# KiCad board Karnix_ASB.kicad_pcb (continued)
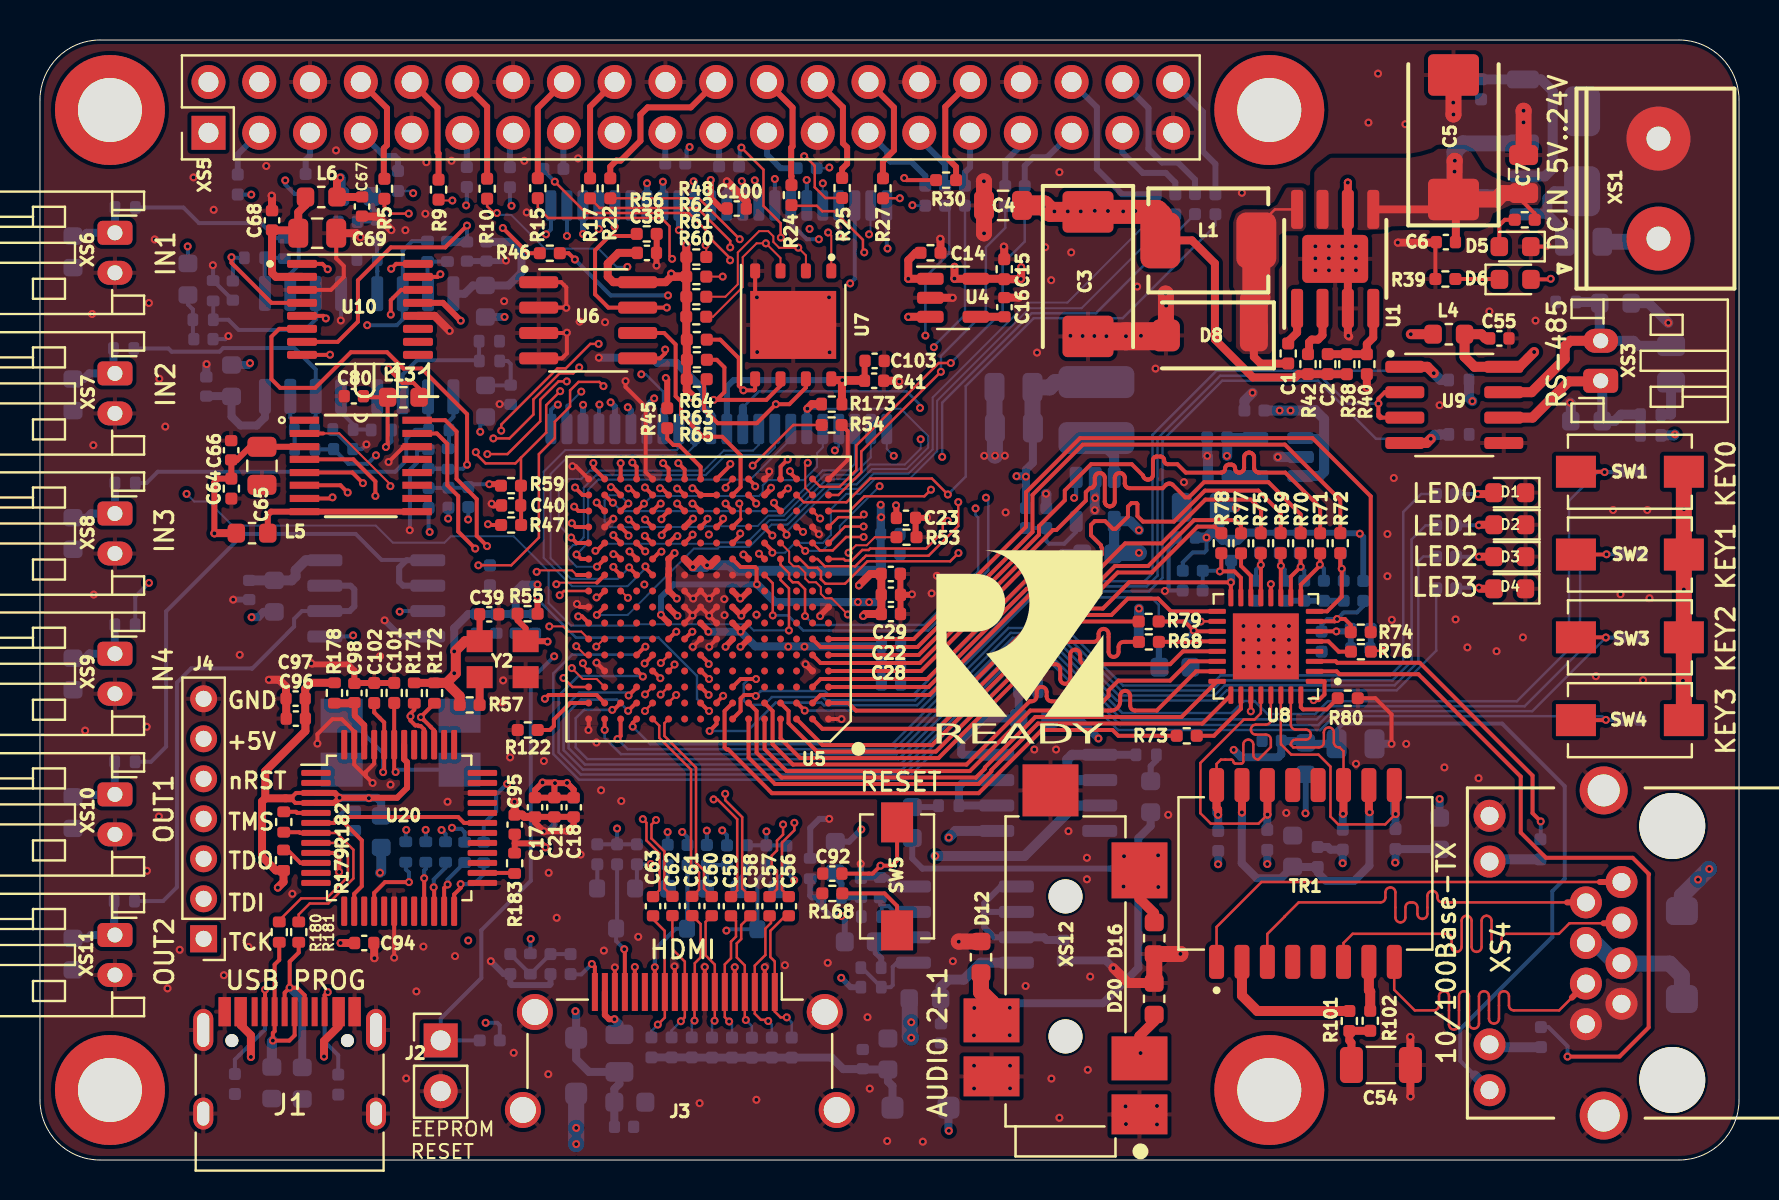
[diagram p0: board, top side]
## Routing (per net, layer and track width the routed paths; a pad name or vN(x,y) marks a point on that pad's centre or on a via; arc(x,y) is an arc through that point) (continued)
EEPROM_I2C_SDA: length 11.1
  Top w0.2: v1(31.28,40.52) 31.28,40.34 31.02,40.08 U6.5 ; U5.P7 34.3,32.8 v1(34.3,32.82)
  In4.Cu w0.1: v1(31.28,40.52) 32.12,39.68 32.12,37.93 33.59,36.46 33.59,33.53 v1(34.3,32.82)
EEPROM_RESET: length 39.6
  Top w0.2: U5.T6 35.78,33.72 v1(35.78,33.68)
  In1.Cu w0.1: v1(35.78,33.68) 35.78,33.41 36.27,32.92 36.27,32.59 36.08,32.4 35.54,32.4 34.41,31.27 33.48,31.27 v1(33.46,31.28)
  In3.Cu w0.1: v1(25.73,25.19) 25.81,25.27 28.51,25.27 30.61,27.37 30.61,28.34 33.46,31.21 v1(33.46,31.28)
  Bottom w0.2: R58.2 J2.1 20.05,7.07 22.08,9.1 22.08,11.47 22.07,11.48 24.55,13.97 24.55,24.02 v1(25.73,25.19)
EEPROM_WP: length 20.7
  Top w0.2: U5.R6 35.83,32.87 v1(35.83,32.82) ; v1(31.36,42.62) U6.7 28.43,42.62 27.77,43.29 27.77,45.49 28.48,46.2 29.75,46.2 R56.1
  In4.Cu w0.125: v1(31.36,42.62) 31.36,41.16 35.2,37.32 35.2,33.45 v1(35.83,32.82)
ETHERNET_CT: length 15.7
  Top w0.4: TR1.15 60.13,17.38 v1(60.13,17.38) ; TR1.10 66.48,17.43 v1(66.52,17.39)
  Bottom w0.4: v1(60.13,17.38) 60.13,16.6 60.12,16.59 60.12,14.84 60.87,14.09 62.09,14.09 C49.1 62.69,14.65 R96.2 63.92,14.38 64.35,13.95 65.74,13.95 66.51,14.72 66.51,17.38 v1(66.52,17.39)
ETHERNET_RX+: length 13.3
  Top w0.125: TR1.11 65.21,20.44 65.02,20.63 64.98,20.63 arc(64.8,20.7) 64.73,20.88 64.73,21.38 arc(64.66,21.56) 64.48,21.63 arc(64.3,21.56) 64.23,21.38 64.23,20.88 arc(64.16,20.7) 63.98,20.63 62.7,20.63 62.58,20.75 62.58,20.77 arc(62.65,20.95) 62.83,21.02 63.33,21.02 arc(63.5,21.09) 63.58,21.27 arc(63.5,21.45) 63.33,21.52 62.83,21.52 arc(62.65,21.59) 62.58,21.77 U8.31
  Top w0.4: v1(65.19,17.31) 65.21,17.33 TR1.11
  Bottom w0.4: C52.1 65.2,17.32 v1(65.19,17.31) 65.17,17.3 R99.2
ETHERNET_RX-: length 14.7
  Top w0.125: v1(67.82,17.3) 67.3,16.78 64.95,16.78 64.56,17.17 64.56,19.67 63.96,20.27 62.6,20.27 62.08,20.79 U8.30
  Top w0.4: TR1.9 67.82,18.68 v1(67.82,17.3)
  Bottom w0.4: C53.1 67.74,17.38 v1(67.82,17.3) 67.81,17.3 R100.2
ETHERNET_TX+: length 13.6
  Top w0.125: TR1.16 58.86,19.8 59.08,20.02 59.6,20.02 arc(59.67,19.99) 59.7,19.92 arc(59.73,19.85) 59.8,19.82 60.1,19.82 arc(60.17,19.85) 60.2,19.92 60.2,20.77 arc(60.27,20.95) 60.45,21.02 arc(60.63,20.95) 60.7,20.77 60.7,20.27 arc(60.77,20.09) 60.95,20.02 61.58,20.65 61.58,21.02 arc(61.5,21.2) 61.33,21.27 60.83,21.27 arc(60.65,21.34) 60.58,21.52 arc(60.65,21.7) 60.83,21.77 61.33,21.77 arc(61.5,21.84) 61.58,22.02 U8.29
  Top w0.4: TR1.16 58.86,17.61 58.94,17.53 v1(58.94,17.26)
  Bottom w0.4: R97.2 58.95,17.26 v1(58.94,17.26) 58.86,17.34 C50.1
ETHERNET_TX-: length 14.5
  Top w0.125: U8.28 61.08,22.34 60.76,22.02 60.22,22.02 58.05,19.85 58.05,17.34 58.57,16.82 60.96,16.82 v1(61.41,17.27)
  Top w0.4: v1(61.41,17.27) 61.41,18.74 TR1.14
  Bottom w0.4: R98.2 61.4,17.26 v1(61.41,17.27) 61.39,17.29 C51.1
FPGA_RESET: length 93.2
  Top w0.125: 24.06,35.11 23.78,34.83 22.29,34.83 21.8,35.32 v1(21.8,35.39) ; 24.06,35.11 25.33,36.37 25.33,37.74 v1(26.02,38.44) ; 24.06,35.11 R59.2
  Top w0.2: R59.2 24.05,33.7 C40.1 24.07,32.71 R47.2 ; v1(32.64,33.59) 32.71,33.59 U5.R9 U5.R8 ; C92.1 41.65,14.32 v1(42.05,14.72) 42.6,14.72 42.61,14.71 42.88,14.98 SW5.1
  In1.Cu w0.125: v1(26.02,38.44) 26.63,37.84 26.63,37.46 27.41,36.68 28.75,36.68 31.06,34.36 32.05,34.36 32.64,33.77 v1(32.64,33.59) ; v1(18.33,16.51) 18.33,14.75 17.72,14.14 17.72,12.61 18.74,11.59 20.81,11.59 v1(21.42,10.98)
  In4.Cu w0.125: v1(21.42,10.98) 23.3,10.98 25.81,8.47 37.17,8.47 38.94,10.24 38.94,13.31 39.92,14.29 41.62,14.29 v1(42.05,14.72) ; v1(21.8,35.39) 20.86,35.39 19.08,33.61 19.08,24.31 18.16,23.39 18.16,22.32 18.15,22.31 18.15,21.99 18.16,21.98 18.16,19.93 18.46,19.62 18.46,16.98 18.33,16.84 v1(18.33,16.51) 17.01,16.51 16.7,16.2 14.59,16.2 13.36,17.43 9.81,17.43 8.73,18.51
  In4.Cu w0.4: J4.5 8.73,18.51
  Bottom w0.2: R166.2 18.3,16.48 v1(18.33,16.51)
FT_VCC: length 47.5
  Top w0.2: U20.3 12.81,18.35 12.54,18.09 12.78,17.85 U20.4
  Top w0.3: U20.42 18.22,20.03 18.36,19.89 18.36,18.61 17.87,18.11 v1(14.99,18.11) ; 23.75,15.83 25.09,15.83 v1(25.29,15.63) ; 23.75,15.83 23.75,15.35 R183.2 ; 23.75,15.83 23.75,16.27 ; v1(14.99,18.11) 14.74,18.35 U20.3 ; v1(14.99,18.11) 14.73,17.85 U20.4
  Top w0.4: 11.27,18.09 12.54,18.09 ; 11.27,18.09 11.11,17.92 11.11,15.17 11.8,14.48 R179.2 12.19,13.91 v1(11.9,13.62) ; 11.27,18.09 11.27,19.44 13.28,21.45 C96.1 13.27,22.08 C97.1 13.27,23.57 13.56,23.86 R178.1 ; C94.1 v1(15.04,10.85)
  In3.Cu w0.3: v1(16.45,18.09) 16.45,16.35 17.17,15.63 v1(25.29,15.63)
  In3.Cu w0.4: v1(11.9,13.62) 11.9,12.5 13.55,10.85 v1(15.04,10.85)
  Bottom w0.4: 17.07,17.21 17.07,17.9 16.86,18.11 v1(14.99,18.11)
GPIO_00: length 25.3
  Top w0.125: v1(45.41,31.96) 45.23,31.96 45.17,31.9 ; 45.17,31.9 45.17,31.41 44.33,30.57 41.53,30.57 41.46,30.5 41.14,30.5 40.61,29.97 40.29,29.97 40.22,30.05 U5.L1 ; 45.17,31.9 45.17,32.01
  In1.Cu w0.125: v1(43.64,47.74) 43.9,47.48 43.9,40.02 46.05,37.87 46.05,34.75 46.33,34.46 46.33,32.67 45.63,31.96 v1(45.41,31.96)
  Bottom w0.125: R26.2 43.67,47.72 v1(43.64,47.74)
GPIO_01: length 26.9
  Top w0.125: U5.L2 38.9,30.05 39.26,29.69 40.79,29.69 41.19,30.09 41.2,30.09 41.32,30.21 44.45,30.21 45.94,31.7 v1(45.94,32.9) ; R27.1 42.18,48.09 v1(43.02,48.09)
  In1.Cu w0.125: v1(43.02,48.09) 43.11,47.99 43.11,44.67 42.92,44.47 42.92,40.65 45.61,37.96 45.61,34.32 45.94,33.98 v1(45.94,32.9)
GPIO_02: length 54.5
  Top w0.125: U5.M1 40.27,31.67 v1(41.2,31.67)
  In1.Cu w0.1: v1(10.57,48.27) 11.18,47.66 12.1,47.66 14.02,49.58 18.41,49.58 19.72,48.26 19.72,45.71 21.92,43.51 21.92,39.76 21.27,39.11 21.27,35.4 22.39,34.27 22.74,34.27 25.59,31.42 25.59,30.59 27.64,28.54 29.55,28.54 30.45,27.64 39.22,27.64 41.59,30.01 41.59,31.47 41.39,31.67 v1(41.2,31.67)
  Bottom w0.2: v1(10.57,48.27) 10.56,48.28 R3.2
GPIO_03: length 52.4
  Top w0.125: v1(41.2,31.15) 40.33,31.15 39.66,30.48 39.02,30.48 U5.M2
  In1.Cu w0.1: v1(12.27,48.98) 12.27,49.11 13.01,49.85 18.45,49.85 19.95,48.34 19.95,45.79 22.14,43.6 22.14,39.55 21.64,39.05 21.64,36.08 21.98,35.74 22.46,35.74 22.9,35.3 22.9,34.52 25.81,31.6 25.81,30.69 27.68,28.83 29.65,28.83 30.08,28.4 30.39,28.4 30.46,28.47 35.19,28.47 35.55,28.11 39.37,28.11 41.2,29.94 v1(41.2,31.15)
  Bottom w0.2: R4.1 12.74,48.3 12.27,48.77 v1(12.27,48.98)
GPIO_04: length 59.8
  Top w0.125: v1(37.47,26.48) 37.47,28.58 37.05,29 U5.K4
  In1.Cu w0.125: v1(7.33,33.31) 7.33,40.5 8.1,41.26 8.1,41.31 15.13,48.34 v1(18.67,48.34)
  Bottom w0.1: v1(37.47,26.48) 35.71,26.48 35.39,26.79 29.89,26.79 29.82,26.73 26.56,26.73 25.45,27.84 25.45,29.44 23.7,31.19 20.55,31.19 20.23,30.87 17.66,30.87 16.8,31.72 9.63,31.72 8.42,32.93 7.71,32.93 v1(7.33,33.31)
  Bottom w0.125: R6.2 18.56,48.45 v1(18.67,48.34)
GPIO_05: length 35.3
  Top w0.125: v1(36.66,27.23) 36.66,28.84 U5.K5
  In1.Cu w0.125: v1(47.33,33.12) 47.33,34.18 46.79,34.71 46.79,39.81 45.38,41.22 v1(44.3,41.22)
  Bottom w0.125: v1(36.66,27.23) 37.42,27.23 38.18,26.48 44.43,26.48 47.44,29.48 47.44,33 v1(47.33,33.12) ; R28.1 45.49,47.51 45.49,45.34 44.3,44.14 v1(44.3,41.22)
GPIO_06: length 33.7
  Top w0.125: v1(38.27,27.2) 38.27,28.54 37.93,28.89 37.65,28.89 37.48,29.06 37.48,29.34 37.05,29.76 U5.L4
  In1.Cu w0.125: v1(44.72,40.64) 45.32,40.64 46.3,39.66 46.3,34.85 46.8,34.34 v1(46.8,32.58)
  Bottom w0.125: R29.2 46.27,42.26 44.72,40.7 v1(44.72,40.64) ; v1(38.27,27.2) 38.72,26.76 44.26,26.76 46.93,29.43 46.93,32.12 46.8,32.26 v1(46.8,32.58)
GPIO_07: length 29
  Top w0.125: 38.4,50.08 38.4,50.07 38.76,49.71 38.76,48.64 39.3,48.1 R25.1
  Top w0.2: U5.L5 35.99,30.31 v1(35.97,30.31)
  In1.Cu w0.1: v1(38.5,46.56) 38.49,46.55 38.49,45.12 40.64,42.97 40.64,38.56 40.34,38.26 40.34,31.22 39,29.88 36.39,29.88 35.97,30.29 v1(35.97,30.31)
  In4.Cu w0.1: v1(38.23,50.19) 38.76,49.67 38.76,48.01 38.5,47.75 v1(38.5,46.56)
GPIO_08: length 22.1
  Top w0.125: v1(41.21,32.28) 41.08,32.14 39.94,32.14 U5.N1 ; R24.2 37.63,47.71 38.86,47.71 39.14,47.44 39.74,47.44 41.17,46.01 41.17,45.45 v1(41.24,45.38)
  In1.Cu w0.125: v1(41.21,32.28) 41.21,32.47 42.05,33.31 42.47,33.31 43.35,34.19 43.35,35.82 42.98,36.2 42.95,36.2 41.62,37.53 41.62,44.36 41.24,44.75 v1(41.24,45.38)
GPIO_09: length 21.8
  Top w0.125: v1(37.06,46.12) 37.05,46.13 37.05,46.84 36.2,47.7 36.2,49.52 v1(35.09,50.62) ; v1(39.03,32.08) 38.65,32.45 U5.P2
  In1.Cu w0.1: v1(39.03,32.08) 38.86,32.24 38.86,36.72 39.03,36.89 39.03,43.13 37.06,45.1 v1(37.06,46.12)
  Bottom w0.2: v1(35.09,50.62) 35.01,50.54 35.01,49.71 R21.1
GPIO_10: length 44.2
  Top w0.125: U5.L3 38.02,30.05 38.45,29.61 38.89,29.61 39.07,29.43 39.07,29.05 39.06,29.05 39.3,28.82 40.27,28.82 41.39,29.94 45.53,29.94 v1(45.95,30.35)
  In1.Cu w0.125: v1(32.5,50.65) 32.5,52.25 32.86,52.61 39.66,52.61 40.15,52.12 40.15,50.68 41.86,48.97 41.86,44.47 41.87,44.46 41.87,40.7 43.64,38.94 43.64,33.62 45.02,32.23 45.02,31.28 v1(45.95,30.35)
  Bottom w0.2: R18.2 32.35,49.89 32.35,50.5 v1(32.5,50.65)
GPIO_11: length 24.4
  Top w0.125: v1(38.28,30.46) 37.89,30.85 U5.M3
  In1.Cu w0.125: v1(42.01,33.69) 43.1,34.78 43.1,35.54 41.24,37.4 41.24,44.38 40.99,44.63 40.99,44.92 40.85,45.06 40.85,48.03 39.49,49.39 v1(39.49,49.63)
  Bottom w0.1: v1(42.01,33.69) 40.01,31.69 40.01,31.34 39.13,30.46 v1(38.28,30.46)
  Bottom w0.125: v1(39.49,49.63) 39.45,49.59 R23.1
GPIO_12: length 24.3
  Top w0.125: v1(44.58,33.52) 44.24,33.19 41.24,33.19 40.51,32.45 U5.P1
  Top w0.2: v1(43.23,49.1) 43.34,49 R30.2
  In1.Cu w0.125: v1(43.23,49.1) 43.09,49.1 42.4,48.41 42.4,47.36 42.8,46.96 42.8,44.97 42.61,44.78 42.61,40.6 43.92,39.3 43.92,38.65 44.58,37.99 v1(44.58,33.52)
GPIO_13: length 18.4
  Top w0.125: v1(45.07,39.41) 41.09,35.43 41.09,34.39 39.95,33.25 U5.R1
  Bottom w0.125: v1(45.07,39.41) 45.07,40.2 47.32,42.45 47.32,45.64 48.29,46.61 R31.1
GPIO_14: length 47.9
  Top w0.1: v1(40.42,27.28) 39.6,28.09 39.29,28.09 39.06,28.31 39.06,28.65 38.82,28.89 38.47,28.89 38.29,29.07 38.29,29.35 37.95,29.69 37.7,29.69 37.48,29.91 37.48,30.42 U5.M4
  Top w0.125: v1(18.45,47.32) 17.6,47.32 17.23,47.69
  Top w0.2: R5.2 17.23,47.69
  In1.Cu w0.1: v1(40.42,27.28) 38.42,25.28 38.05,25.28 37.81,25.04 36.78,25.04 35.64,26.17 35.64,26.61 35.45,26.81 31.14,26.81 31.08,26.75 29.97,26.75 29.96,26.76 27.64,26.76 27.33,27.07 27.33,28.46 25.35,30.43 25.35,31.34 23.28,33.42 22.05,33.42 20.98,34.48 20.98,41.03 21.67,41.72 21.67,43.44 20.05,45.06 19.56,45.06 18.72,45.9 18.72,47.05 v1(18.45,47.32)
GPIO_15: length 35.3
  Top w0.1: v1(20.63,47.98) 19.98,47.98 R9.1
  Top w0.2: U5.N3 37.9,31.65 38.14,31.41 v1(38.17,31.41)
  In1.Cu w0.1: v1(20.63,47.98) 20.63,46.3 22.48,44.45 22.48,37.53 22.93,37.08 23.25,37.08 23.56,36.77 23.56,34.36 26.09,31.83 26.09,30.91 26.26,30.73 26.95,30.73 27.39,30.3 27.39,29.51 27.73,29.17 29.84,29.17 v1(30.23,28.78)
  In4.Cu w0.1: v1(38.17,31.41) 38.17,31.19 36.85,29.86 34.98,29.86 33.9,28.79 30.25,28.79 v1(30.23,28.78)
GPIO_16: length 27.2
  Top w0.2: U5.N4 37.35,31.35 v1(37.35,31.26)
  Bottom w0.1: R32.2 51.4,42.87 49.4,42.87 44.66,38.12 44.66,35.53 43.45,34.32 41.72,34.32 40.95,33.56 39.5,33.56 37.35,31.41 v1(37.35,31.26)
GPIO_17: length 30
  Top w0.1: U5.D16 27.16,24.74 v1(27.16,24.84)
  In4.Cu w0.1: v1(27.16,24.84) 27.16,24.04 26.7,23.58 25.92,23.58 24.17,25.33 24.17,29.51 24.48,29.82 24.48,44.63 21.37,47.73 v1(21.32,47.73)
  Bottom w0.2: v1(21.32,47.73) 21.36,47.77 R11.2
GPIO_18: length 27.7
  Top w0.1: v1(38.41,34.86) 38.29,34.74 38.29,33.61 38.64,33.25 U5.R2
  Top w0.125: R10.1 22.37,47.69 22.7,47.35 v1(22.86,47.35)
  In4.Cu w0.1: v1(38.41,34.86) 38.36,34.81 38.36,34.06 38.35,34.04 36.26,34.04 36.08,34.23 36.08,35.56 36.11,35.59 35.85,35.85 35.85,37.13 32.3,40.67 32.3,43.15 31.67,43.79 30.99,43.79 30.13,44.66 v1(29.39,44.66)
  Bottom w0.1: v1(22.86,47.35) 22.95,47.26 23.58,47.26 25.26,45.57 27.93,45.57 28.84,44.66 v1(29.39,44.66)
GPIO_19: length 19.7
  Top w0.125: v1(45.57,39.85) 44.96,39.85 40.84,35.73 40.84,34.5 40.01,33.66 39.04,33.66 U5.T2
  Bottom w0.125: R33.1 49.27,45.93 48.16,44.82 48.16,42.44 v1(45.57,39.85)
GPIO_20: length 29.2
  Top w0.2: U5.P4 36.72,32.78 v1(36.72,32.86)
  In3.Cu w0.125: v1(45.14,35.16) 44.95,34.97 43.25,34.97 43.02,34.74 41.58,34.74 39.7,32.86 v1(36.72,32.86)
  Bottom w0.125: v1(45.14,35.16) 45.14,37.86 49.61,42.34 52.83,42.34 R35.1
GPIO_21: length 30.7
  Top w0.125: U5.R3 38.21,32.89 40.35,32.89 41.54,34.08 44.62,34.08 v1(45.42,33.28)
  Bottom w0.125: R36.1 58.8,46.73 54.17,42.09 49.72,42.09 46.31,38.69 46.31,34.17 v1(45.42,33.28)
GPIO_22: length 27.4
  Top w0.125: v1(25.76,48.92) 27.32,47.35 32.46,47.35 33.62,46.19 33.62,46 34.52,45.09 v1(34.52,44.99)
  Top w0.2: v1(37.42,33.58) 37.38,33.58 U5.R4
  In1.Cu w0.1: v1(37.42,33.58) 37.14,33.58 36.8,33.24 36.31,33.24 36.18,33.37 36.18,34.04 36.06,34.16 36.06,34.59 36.38,34.9 36.38,35.63 37.22,36.47 37.22,43.4 35.49,45.13 35.09,45.13 35,45.04 34.58,45.04 v1(34.52,44.99)
  Bottom w0.2: v1(25.76,48.92) 25.18,49.49 R16.2
GPIO_23: length 22.9
  Top w0.125: v1(31.62,45.06) 31.49,45.19 31.49,46.69 31.09,47.1 25.43,47.1 24.9,47.62 R15.2
  Top w0.2: v1(37.52,34.44) 37.52,34.38 U5.T3
  In4.Cu w0.125: v1(37.52,34.44) 37.24,34.44 36.71,34.97 36.71,36.53 36.11,37.14 36.11,38.63 32.76,41.98 32.76,43.75 31.62,44.88 v1(31.62,45.06)
GPIO_24: length 22.9
  Top w0.125: R17.2 28.01,47.6 32.89,47.6 34.53,45.95 v1(34.53,45.63)
  Top w0.3: U5.R5 36.57,33.57 v1(36.57,33.61)
  In1.Cu w0.125: v1(36.57,33.61) 36.89,33.92 36.89,35.65 37.47,36.23 37.47,43.6 35.44,45.63 v1(34.53,45.63)
GPIO_25: length 21
  Top w0.125: R22.2 32.96,48.09 v1(35.01,46.04)
  Top w0.2: U5.T4 37.05,34.67 v1(37.4,35.03)
  In1.Cu w0.125: v1(35.01,46.04) 35.47,46.04 37.72,43.79 37.72,35.34 v1(37.4,35.03)
GPIO_26: length 30
  Top w0.2: v1(36.64,30.37) 36.64,30.46 U5.M5
  Bottom w0.1: R34.1 52.11,42.59 49.51,42.59 44.88,37.96 44.88,35.44 43.55,34.1 41.81,34.1 41.02,33.31 40.34,33.31 39.57,32.53 39.57,31.25 39.17,30.86 37.77,30.86 37.28,30.37 v1(36.64,30.37)
GPIO_27: length 34.2
  Top w0.2: v1(36.64,31.23) 36.25,31.62 U5.N5
  In4.Cu w0.1: v1(23.59,47.71) 23.59,46.59 25.02,45.16 25.02,30.88 27.1,28.8 27.1,28.09 27.48,27.72 28.24,27.72 28.77,28.25 28.77,28.93 29.06,29.22 33.56,29.22 35.05,30.71 36.12,30.71 v1(36.64,31.23)
  Bottom w0.2: v1(23.59,47.71) 23.51,47.79 R12.2
HDDC_CEC: length 7.4
  Top w0.2: J3.13 v1(30.76,9.64)
  Bottom w0.2: v1(30.76,9.64) 30.76,10.52 31.8,11.56 Q2.3 32.37,12.46 32.39,12.48 R158.2
HDDC_SCL: length 11.5
  Top w0.2: J3.15 v1(29.76,9.65)
  In1.Cu w0.2: v1(29.76,9.65) 31.58,11.47 v1(34.34,11.47)
  Bottom w0.2: v1(34.34,11.47) 34.4,11.53 Q4.3 35.89,14.02 36.34,14.47 R162.2
HDDC_SDA: length 6.6
  Top w0.2: J3.16 29.26,10.51 v1(29.23,10.54)
  Bottom w0.2: v1(29.23,10.54) 28.82,10.95 Q3.3 28.87,11.62 R160.2
HDMI_CEC: length 16.3
  Top w0.2: v1(33.45,23.26) 33.06,23.65 U5.C9
  In1.Cu w0.125: v1(34.13,16.48) 34.99,16.48 35.59,15.88 37.81,15.88 38.45,16.52 38.45,16.95 37.01,18.39 35.55,18.39 32.97,20.97 32.97,22.77 v1(33.45,23.26)
  Bottom w0.2: R155.2 34.37,16.24 v1(34.13,16.48)
HDMI_HPD: length 28.2
  Top w0.2: U5.B8 33.85,22.88 v1(34.18,23.21)
  In1.Cu w0.125: v1(34.18,23.21) 33.96,22.99 33.96,20.73 35.87,18.82 37.17,18.82 38.71,17.28 38.71,16.29 37.93,15.51 35.15,15.51 34.83,15.84 30.48,15.84 28.13,13.48 28.13,12.44 26.75,11.06 v1(24.55,11.06)
  Bottom w0.2: v1(24.55,11.06) 24.53,11.04 R153.1
HDMI_SCL: length 19.2
  Top w0.2: v1(33.46,24.8) 33.46,24.84 U5.E9
  In1.Cu w0.125: v1(37.73,13.99) 37.86,13.99 39.93,16.06 39.93,18.63 38.84,19.72 36.34,19.72 34.97,21.09 34.97,23.91 34.44,24.44 33.88,24.44 33.52,24.8 v1(33.46,24.8)
  Bottom w0.2: v1(37.73,13.99) 37.34,14.38 R119.2 37.34,14.52 36.84,14.02 36.84,13.53
HDMI_SDA: length 23
  Top w0.2: U5.D9 33.07,24.45 v1(33.47,24.05)
  In1.Cu w0.125: v1(33.47,24.05) 34.24,24.05 34.66,23.63 34.66,20.74 36.16,19.24 37.31,19.24 39.07,17.48 39.07,16.09 38.2,15.22 30.97,15.22 v1(30.55,14.8)
  Bottom w0.2: v1(30.55,14.8) 30.53,14.78 R159.2 29.86,13.66 Q3.2
HDMI_TX0+: length 9.9
  Top w0.125: C60.1 33.22,13.56 33.22,14.48 32.82,14.88 32.82,19.62 31.24,21.2 31.24,21.84 U5.A11
HDMI_TX0-: length 10
  Top w0.125: U5.A12 30.98,21.72 30.98,21.11 32.57,19.52 32.57,14.78 32.97,14.38 32.97,13.52 C61.1
HDMI_TX1+: length 13.9
  Top w0.125: U5.D11 31.75,24.75 v1(31.75,24.78) ; v1(34.28,18.31) 34.28,17.99 35.13,17.14 35.13,13.58 C58.1
  In1.Cu w0.125: v1(34.28,18.31) 34.03,18.31 33.72,18.62 33.72,18.91 33.42,19.21 33.13,19.21 32.57,19.77 32.57,23.55 31.75,24.37 v1(31.75,24.78)
HDMI_TX1-: length 14.1
  Top w0.125: C59.1 34.88,13.48 34.88,17.04 33.89,18.03 v1(33.7,18.03) ; U5.E11 31.45,25.24 v1(31.06,24.85)
  In1.Cu w0.125: v1(33.7,18.03) 33.7,18.26 32.32,19.64 32.32,23.45 31.06,24.71 v1(31.06,24.85)
HDMI_TX2+: length 15.9
  Top w0.125: U5.B11 31.45,22.87 v1(31.83,23.25) ; v1(37.74,16.86) 37.74,16.48 37.12,15.87 37.12,13.51 C56.1
  In1.Cu w0.125: v1(37.74,16.86) 37.23,17.37 33.18,17.37 31.83,18.72 v1(31.83,23.25)
HDMI_TX2-: length 15.9
  Top w0.125: U5.C11 31.43,23.65 v1(31.05,23.27) ; C57.1 36.87,13.54 36.87,14.47 36.61,14.73 36.61,15.22 36.87,15.48 36.87,15.97 37.18,16.27 v1(37.18,16.78)
  In1.Cu w0.125: v1(31.05,23.27) 31.39,22.93 31.39,18.81 33.08,17.12 36.83,17.12 v1(37.18,16.78)
HDMI_TXC+: length 11.3
  Top w0.125: v1(30.82,17) 30.59,16.77 30.59,16.08 31.24,15.43 31.24,13.58 C62.1 ; U5.B12 30.27,22.47 v1(30.27,22.45)
  In1.Cu w0.125: v1(30.82,17) 30.45,17.37 30.45,18.04 30.72,18.31 30.72,18.62 30.45,18.89 30.45,19.3 30.72,19.57 30.72,19.88 30.45,20.15 30.45,20.81 30.74,21.1 30.74,21.37 30.45,21.66 30.45,22.27 v1(30.27,22.45)
HDMI_TXC-: length 11.4
  Top w0.125: U5.C12 30.64,23.65 v1(30.27,23.28) ; C63.1 30.99,13.49 30.99,15.33 30.34,15.98 30.34,16.86 v1(30.16,17.04)
  In1.Cu w0.125: v1(30.27,23.28) 29.86,22.87 29.86,22.12 30.16,21.82 v1(30.16,17.04)
IN1_U: length 3.4
  Bottom w0.4: D14.2 2.17,46.2 2.34,46.36 XS6.1 3.75,46.36 R129.1
IN1_U_ADC: length 6.5
  Top w0.2: v1(9.58,45.14) 9.58,44.86 11.58,42.86 U10.4
  Bottom w0.2: C74.1 9.65,45.07 v1(9.58,45.14) 9.61,45.11 R125.1
IN2_U: length 3.5
  Bottom w0.2: 3.68,39.4 XS7.1
  Bottom w0.4: XS7.1 2.46,39.33 2.18,39.05 D18.2 ; R141.1 3.68,39.4
IN2_U_ADC: length 12.7
  Top w0.2: v1(14.3,42.08) 14.17,42.21 U10.5
  In1.Cu w0.2: v1(14.3,42.08) 16.81,39.57 v1(16.81,35.24)
  Bottom w0.2: R139.1 14.68,35.53 C78.1 15.43,34.81 16.38,34.81 v1(16.81,35.24)
IN3_U: length 3.7
  Bottom w0.4: D15.2 2.34,32.11 2.56,32.34 2.57,32.32 XS8.1 R130.1
IN3_U_ADC: length 21.4
  Top w0.2: U10.6 11.97,41.56 11.58,41.17 11.58,39.04 12.01,38.61 13.77,38.61 15.55,40.39 17.37,40.39 18.18,39.58 19.09,39.58 21.37,37.29 v1(21.37,34.76)
  Bottom w0.2: v1(21.37,34.76) 21.17,34.57 C75.1 20.39,34.57 R126.1
IN4_U: length 3.7
  Bottom w0.4: R142.1 3.74,25.32 XS9.1 2.49,25.31 2.48,25.33 2.24,25.09 D19.2
IN4_U_ADC: length 13.7
  Top w0.2: v1(21.36,46.72) 20.27,45.63 17.55,45.63 15.91,43.99 15.91,41.92 14.9,40.91 U10.7
  Bottom w0.2: v1(21.36,46.72) 21.36,46.72 C79.1
  Bottom w0.4: C79.1 20.43,45.9 R140.1
JTAG_TCK: length 55.6
  Top w0.125: v1(21.93,29.73) 23.57,29.73 24.96,31.12 24.96,35.3 25.76,36.09 25.76,36.91 26.52,37.68 26.52,38.48 26.95,38.91 27.98,38.91 v1(28.19,38.7)
  Top w0.2: U5.T10 32.25,34.53 v1(31.93,34.84)
  In1.Cu w0.125: v1(28.19,38.7) 28.45,38.7 29,38.14 29.59,38.14 29.92,37.82 29.92,37.04 29.93,37.04 31.93,35.04 v1(31.93,34.84)
  In4.Cu w0.125: v1(21.93,29.73) 21.93,19.61 22.11,19.44 22.73,19.44 v1(23.37,18.81) 22.43,17.87 22.43,16.36 20.64,14.57 18.16,14.57 15.73,12.14 10.79,12.14 9.71,11.06 9,11.06
  In4.Cu w0.3: J4.1 9,11.06
  Bottom w0.2: R163.2 22.2,16.82 22.82,17.45 22.82,18.29 22.84,18.29 23.36,18.81 v1(23.37,18.81) ; R52.1 v1(21.93,29.73)
JTAG_TDI: length 54.6
  Top w0.125: v1(27.95,40.81) 27.53,40.81 26.3,39.58 25.89,39.58 23.08,36.77 v1(23.08,36.47)
  Top w0.2: U5.R11 31.11,33.59 v1(31.02,33.59)
  In4.Cu w0.125: v1(23.08,36.47) 23.26,36.29 23.26,35.27 21.42,33.44 v1(21.42,32.03) 21.42,31.82 19.94,30.34 19.94,17.41 20.61,16.74 v1(20.61,16.61) 20.61,16.14 19.31,14.84 10.53,14.84 9.57,13.89 9.01,13.89 8.72,13.59 ; v1(27.95,40.81) 28.21,40.81 28.84,40.18 30.08,40.18 30.51,39.75 30.51,39.12 30.3,38.91 30.3,37.41 30.82,36.88 30.82,35.59 30.77,35.54 30.77,34.23 31.02,33.97 v1(31.02,33.59)
  In4.Cu w0.4: J4.2 8.72,13.59
  Bottom w0.2: R164.2 21.24,16.4 21.08,16.56 20.67,16.56 v1(20.61,16.61) ; v1(21.42,32.03) 21.43,32.04 R50.2
JTAG_TDO: length 54.8
  Top w0.125: v1(26.98,39.63) 26.68,39.33 25.99,39.33 24.68,38.03 24.68,37.28 23.49,36.08 v1(22.68,36.08)
  Top w0.2: v1(32.65,31.27) 32.65,31.25 U5.M10
  In1.Cu w0.1: v1(32.65,31.27) 32.65,31.4 32.2,31.85 32.2,32.14 32.51,32.44 32.51,32.44 32.51,32.44 32.83,32.44 32.83,32.44 32.92,32.44 33.05,32.57 33.05,35.07 30.17,37.95 30.17,37.96 29.66,38.47 29.15,38.47 27.99,39.63 v1(26.98,39.63)
  In4.Cu w0.125: v1(22.68,36.08) 22.98,35.78 22.98,35.35 20.42,32.79 v1(20.42,32.07) 20.42,31.23 19.69,30.51 19.69,16.9 v1(20.09,16.5) 18.68,15.09 10.23,15.09 9.69,15.63 8.8,15.63
  In4.Cu w0.4: 8.8,15.63 8.75,15.63 J4.3
  Bottom w0.2: v1(20.09,16.5) 20.29,16.3 R165.2 ; v1(20.42,32.07) 20.43,32.09 R49.2
JTAG_TMS: length 48.2
  Top w0.125: v1(26.36,38.93) 25.94,38.93 25.02,38.01 25.02,36.94 23.38,35.29 v1(22.38,35.29)
  Top w0.2: U5.T11 31.45,34.57 v1(31.17,34.84)
  In1.Cu w0.125: v1(31.17,34.84) 28.91,37.11 27.81,37.11 27.6,37.32 27.6,38.47 27.26,38.81 26.47,38.81 v1(26.36,38.93)
  In4.Cu w0.125: v1(22.38,35.29) 22.38,35.23 19.49,32.34 v1(19.49,31.4) 19.44,31.35 19.44,16.91 19.3,16.76 v1(19.3,16.51) 18.42,15.64 14.24,15.64 13.17,16.71 9.02,16.71
  In4.Cu w0.4: 9.02,16.71 8.66,17.06 J4.4
  Bottom w0.2: v1(19.3,16.51) 19.3,16.5 R167.2 ; v1(19.49,31.4) 19.44,31.46 R51.2
KEY0: length 73.9
  Top w0.2: v1(29.42,22.46) 29.81,22.85 U5.B13 ; SW1.2 78.26,34.41 v1(78.27,34.4)
  Bottom w0.125: v1(78.27,34.4) 77.92,34.4 76.49,32.97 76.49,25.55 73.89,22.94 64.43,22.94 63.79,22.3 61.41,22.3 60.76,22.95 60.22,22.95 59.62,22.35 54.14,22.35 50.89,25.61 48.87,25.61 43.04,19.78 27.26,19.78 26.45,20.59 26.45,22.4 27.06,23.02 28.86,23.02 v1(29.42,22.46)
  Bottom w0.2: v1(78.27,34.4) 79.02,34.4 R2.1
KEY1: length 70.8
  Top w0.2: v1(29.45,23.23) 29.85,23.63 U5.C13 ; SW2.2 78.36,30.27 v1(78.37,30.29)
  Bottom w0.125: v1(78.37,30.29) 77.77,30.29 77.05,29.57 77.05,25.46 74.28,22.69 64.54,22.69 63.88,22.04 54.11,22.04 54.04,22.1 54.04,22.1 50.78,25.36 48.97,25.36 43.14,19.53 27.16,19.53 26.2,20.49 26.2,22.59 26.98,23.37 29.3,23.37 v1(29.45,23.23)
  Bottom w0.2: v1(78.37,30.29) 79.13,30.29 R8.1
KEY2: length 68.6
  Top w0.2: v1(30.16,24.17) 29.88,24.45 U5.D13 ; SW3.2 78.33,26.13 v1(78.34,26.12)
  Bottom w0.125: v1(78.34,26.12) 74.66,22.44 64.64,22.44 63.95,21.75 54.05,21.75 53.94,21.85 53.94,21.85 50.68,25.11 49.08,25.11 43.24,19.28 27.06,19.28 25.95,20.39 25.95,23.21 26.93,24.2 30.14,24.2 v1(30.16,24.17)
  Bottom w0.2: v1(78.34,26.12) 79.05,26.12 R14.1
KEY3: length 69.4
  Top w0.2: U5.E13 30.27,25.67 v1(30.29,25.67) ; v1(78.34,22.01) 78.33,21.99 SW4.2
  Bottom w0.125: v1(78.34,22.01) 78.15,22.19 64.75,22.19 64.05,21.5 53.94,21.5 50.59,24.85 49.17,24.85 43.34,19.02 26.96,19.02 25.68,20.3 25.68,24.33 26.62,25.27 29.89,25.27 v1(30.29,25.67)
  Bottom w0.2: v1(78.34,22.01) R19.1
LAN_COL: length 24.2
  Top w0.2: U5.B2 39.05,23.25 44.51,23.25 49.49,28.24 52.77,28.24 53.91,29.38 55.62,29.38 57.91,31.67 58.77,31.67 R78.1
LAN_CRS: length 24.6
  Top w0.2: R77.1 60.09,31.71 59.81,31.99 57.73,31.99 55.44,29.7 53.78,29.7 52.64,28.56 49.36,28.56 44.45,23.65 U5.C1
LAN_MDC: length 23.4
  Top w0.2: U5.A2 39.14,21.56 44.91,21.56 48.05,24.7 48.13,24.7 50.67,27.25 53.6,27.25 54.42,28.07 55.94,28.07 56.58,27.43 U8.17
LAN_MDIO: length 24.8
  Top w0.2: U8.16 v1(59.58,28.89) 54.48,28.89 53.17,27.57 50.37,27.57 45.27,22.47 40.82,22.47 40.44,22.85 U5.B1
  Bottom w0.4: R66.2 59.59,28.9 v1(59.58,28.89)
LAN_nINT: length 24.5
  Top w0.125: v1(58.07,26.93) 58.08,26.93 U8.18
  Top w0.2: v1(38.26,22.47) 37.88,22.85 U5.B3
  Bottom w0.125: v1(38.26,22.47) 43.97,22.47 49.63,28.13 55.59,28.13 55.97,27.76 R67.2
  Bottom w0.2: v1(58.07,26.93) 55.98,26.93 R67.2
LAN_nRST: length 20.2
  Top w0.2: U5.A3 39.15,20.75 44.63,20.75 50.81,26.93 R79.1
LAN_RCLK: length 40.3
  Top w0.2: U5.F1 43.72,26.05 49.33,31.66 49.33,33.39 52.04,36.09 63.67,36.09 66.58,33.19 R74.1
LAN_RXD0: length 31.5
  Top w0.2: U5.D1 44.08,24.45 49.19,29.56 50.61,29.56 50.64,29.65 50.64,29.69 50.77,29.82 51.11,29.82 51.43,29.5 51.78,29.5 52.36,30.08 52.92,30.08 53.13,30.28 53.13,30.59 53.09,30.66 53.08,30.74 52.58,31.24 52.58,31.75 52.77,31.95 53.28,31.95 53.67,31.56 53.82,31.56 54.43,32.17 54.43,32.67 54.61,32.85 54.86,32.85 54.9,32.78 54.9,32.2 55.18,31.92 56.73,31.92 58.28,33.47 60.95,33.47 62.07,32.35 R69.1
LAN_RXD1: length 34.8
  Top w0.2: U5.E2 39.05,24.85 44.02,24.85 50.67,31.5 50.85,31.5 52.32,32.97 52.32,33.39 52.52,33.59 52.56,33.59 52.63,33.62 52.7,33.66 52.74,33.73 52.77,33.8 52.77,33.84 52.77,34.1 52.77,34.14 52.8,34.21 52.84,34.28 52.91,34.32 52.98,34.35 53.02,34.35 53.06,34.35 53.13,34.32 53.2,34.28 53.24,34.21 53.27,34.14 53.27,34.1 53.27,32.93 53.27,32.89 53.3,32.82 53.34,32.75 53.41,32.71 53.48,32.68 53.52,32.68 53.56,32.68 53.63,32.71 53.7,32.75 53.74,32.82 53.77,32.89 53.77,32.93 53.77,34.1 53.77,34.14 53.8,34.21 53.84,34.28 53.91,34.32 53.98,34.35 54.02,34.35 54.06,34.35 54.13,34.32 54.2,34.28 54.24,34.21 54.27,34.14 54.27,34.1 54.27,33.84 54.27,33.8 54.3,33.73 54.34,33.66 54.41,33.62 54.48,33.59 54.52,33.59 56.17,33.59 56.33,33.75 56.35,33.78 56.42,33.81 56.5,33.82 56.58,33.81 56.65,33.78 56.68,33.75 57.3,33.13 57.47,33.13 58.23,33.89 61.46,33.89 63.07,32.28 R70.1
